# Altium PCB STM32F429IGT6.PcbDoc (part 3 of 6)
Units mil, origin at the board's own origin, x right, y up, seen from the top; angles counter-clockwise.
Board outline 3765 x 2155 mil, 2 copper layers (Top Layer, Bottom Layer); 135 components, 194 nets, 727 pads, 429 vias.
Unrouted connection lines stored in the file: 1.
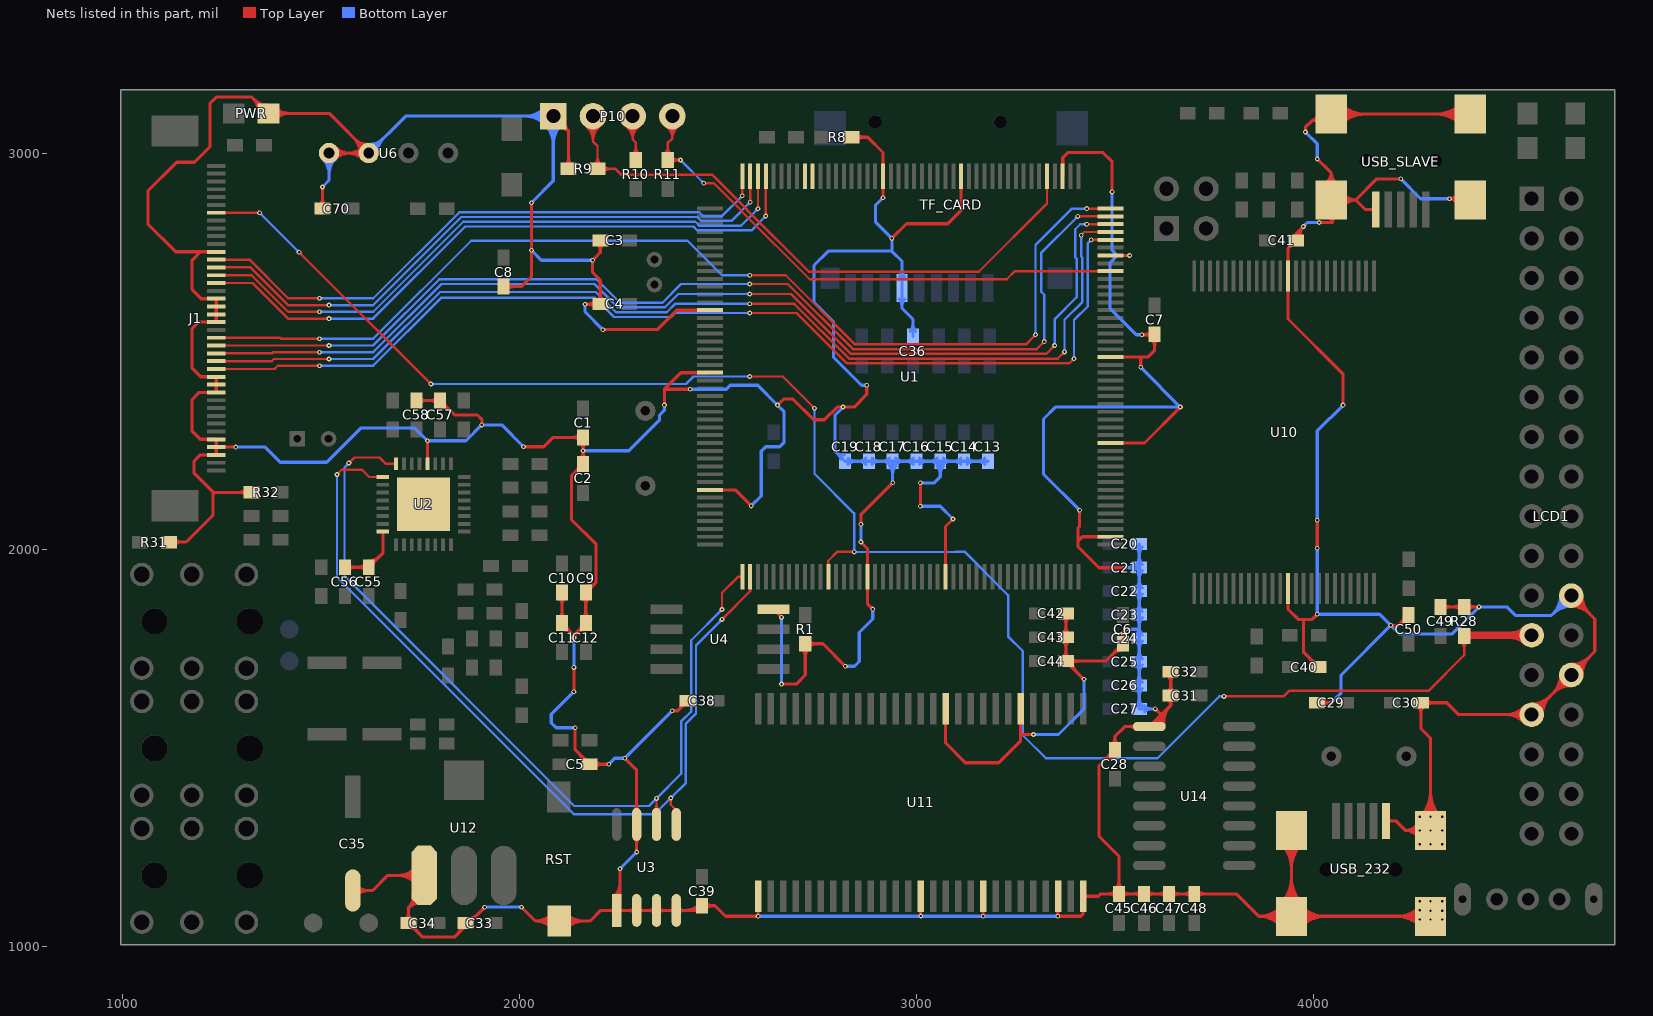
[diagram p3: the nets of this part, all layers, seen from the top]

## Via types
v1: diameter 12, hole 6, Top Layer to Bottom Layer, 405 vias
v2: diameter 16, hole 8, Top Layer to Bottom Layer, 10 vias
v3: diameter 27.56, hole 15.75, Top Layer to Bottom Layer, 9 vias
v4: diameter 16, hole 10, Top Layer to Bottom Layer, 2 vias
v5: diameter 14, hole 8, Top Layer to Bottom Layer, 1 vias
v6: diameter 30, hole 20, Top Layer to Bottom Layer, 1 vias
v7: diameter 26, hole 20, Top Layer to Bottom Layer, 1 vias

## Nets (pads, with @x,y where several pads share a name; then routed paths per layer and width w, separated by ;. In a path a pad name is that pad's centre, name@x,y a point inside that pad or via, vN(x,y) a via of type N, cw(c..) or ccw(c..) an arc to the next point about the centre after c; other vN are vias at no path point) (continued)
GND: C1.2 C2.2 C3.1 C4.1 C5.1 C6.1 C7.1 C8.1 C9.1 C10.1 C11.1 C12.1 C13.1 C14.1 C15.1 C16.1 C17.1 C18.1 C19.1 C20.1 C21.1 C22.1 C23.1 C24.1 C25.1 C26.1 C27.1 C28.1 C29.1 C30.2 C31.2 C32.2 C33.1 C34.1 C35.2 C36.2 C38.2 C39.2 C40.1 C41.1 C42.1 C43.1 C44.1 C45.1 C46.1 C47.1 C48.1 C49.2 C50.1 C55.1 C56.1 C57.1 C58.1 C70.1 J1.3 J1.4 J1.5 J1.11 J1.12 J1.13 J1.20 J1.21 J1.22 J1.23 J1.29 LCD1.22 LCD1.26 LCD1.27 P10.1 PWR.2 R1.2 R8.2 R9.2 R28.1 R31.1 R32.1 RST.2 TF_CARD.6 U1.14 U1.22 U1.37 U1.61 U1.71 U1.90 U1.102 U1.113 U1.126 U1.135 U1.148 U1.158 U2.12 U2.24 U2.33 U3.1 U3.2 U3.3 U3.4 U3.7 U4.4 U6.3 U6.4 U10.13 U10.36 U11.6 U11.12 U11.28 U11.41 U11.46 U11.52 U11.54 U12.1 U14.1 USB_232.5 USB_SLAVE.5 | length 37237.4
  Top Layer w8: R31.1@1116.5,2020 1160,2020 1228,2088 1228,2145 ; R31.1@1129.06,2011.69 cw(c1149.11,1991.64) 1149.11,2020 cw(c1149.11,2048.36) R31.1@1129.06,2028.31 ; J1.29@1236,2751.18 1196.18,2751.18 ; v1(1284.94,2259.06) J1.4@1236,2259.06 ; R32.1@1312.37,2136.69 ccw(c1292.32,2116.64) 1292.32,2145 ccw(c1292.32,2173.36) R32.1@1312.37,2153.31 ; R32.1@1324.93,2145 1228,2145 ; 1326.82,3140.15 cw(c1286.6,3099.94) PWR.2@1343.48,3099.94 ; 1333,3133.98 ccw(c1364.48,3165.46) PWR.2@1364.48,3120.94 ; 1340.48,3126.5 cw(c1313.92,3099.94) PWR.2@1351.48,3099.94 ; PWR.2@1346.66,3120.32 ccw(c1364.48,3138.14) PWR.2@1364.48,3112.94 ; PWR.2@1378.79,3090.74 cw(c1400.98,3068.55) 1400.98,3099.94 cw(c1400.98,3131.32) PWR.2@1378.79,3109.13 ; PWR.2@1384.45,3085.09 cw(c1420.3,3049.24) 1420.3,3099.94 cw(c1420.3,3150.63) PWR.2@1384.45,3114.79 ; C70.1@1495.72,2867.78 ccw(c1476.94,2886.56) 1503.5,2886.56 ccw(c1530.06,2886.56) C70.1@1511.28,2867.78 ; C70.1@1503.5,2860 v1(1503.5,2914.5) ; U6.4@1520,3000 U6.3@1620,3000 1520.06,3099.94 PWR.2@1367.04,3099.94 1325.98,3141 1236,3141 1220,3125 1220,3016 1181,2977 1136,2977 1064,2905 1064,2821 1133.82,2751.18 1196.18,2751.18 ; U6.4@1529.61,2990.39 cw(c1552.81,2967.19) 1552.81,3000 cw(c1552.81,3032.81) U6.4@1529.61,3009.61 ; U6.4@1535.27,2984.73 cw(c1572.12,2947.88) 1572.12,3000 cw(c1572.12,3052.12) U6.4@1535.27,3015.27 ; C56.1@1560,1956.5 C55.1@1620,1956.5 1655.59,1992.09 U2.24@1655.59,2046.1 ; C56.1@1567.78,1948.72 cw(c1586.56,1929.94) 1586.56,1956.5 cw(c1586.56,1983.06) C56.1@1567.78,1964.28 ; C35.2@1580,1141.89 1629.89,1141.89 1667.94,1179.94 U12.1@1760.03,1179.94 ; C35.2@1591.09,1130.8 cw(c1617.87,1104.02) 1617.87,1141.89 cw(c1617.87,1179.76) C35.2@1591.09,1152.98 ; U6.3@1598.41,3000 ccw(c1546.29,3000) 1583.14,3036.86 ccw(c1620,3073.71) U6.3@1620,3021.59 ; U6.3@1604.73,2984.73 ccw(c1567.88,2947.88) 1567.88,3000 ccw(c1567.88,3052.12) U6.3@1604.73,3015.27 ; U6.3@1606.41,3000 ccw(c1573.6,3000) 1596.8,3023.2 ccw(c1620,3046.4) U6.3@1620,3013.59 ; U6.3@1610.39,2990.39 ccw(c1587.19,2967.19) 1587.19,3000 ccw(c1587.19,3032.81) U6.3@1610.39,3009.61 ; C55.1@1612.22,1948.72 ccw(c1593.44,1929.94) 1593.44,1956.5 ccw(c1593.44,1983.06) C55.1@1612.22,1964.28 ; C55.1@1620,1964.5 ccw(c1620,1983.81) C55.1@1633.66,1970.16 ; C55.1@1620,1972.5 ccw(c1620,2011.13) 1647.31,1983.81 ; C55.1@1631,1961.5 cw(c1645.49,1961.5) 1635.24,1971.74 ; C34.1@1712.22,1067.78 ccw(c1693.44,1086.56) 1720,1086.56 ccw(c1746.56,1086.56) C34.1@1727.78,1067.78 ; C34.1@1725,1049 cw(c1725,1034.51) 1735.24,1044.76 ; C34.1@1728,1060 ccw(c1747.31,1060) C34.1@1733.66,1046.34 ; 1730.78,1108.78 cw(c1752.02,1087.53) U12.1@1756.78,1117.2 ; 1731.11,1109.11 ccw(c1709.65,1130.57) U12.1@1739.72,1134.67 ; U12.1@1731.79,1133.59 cw(c1689.58,1127.83) 1719.7,1097.7 cw(c1748.95,1068.45) U12.1@1755.51,1109.3 ; C34.1@1736,1060 ccw(c1774.63,1060) 1747.31,1032.69 ; U12.1@1739.88,1159.78 ccw(c1691.23,1111.13) 1691.23,1179.94 ccw(c1691.23,1248.74) U12.1@1739.88,1200.09 ; C58.1@1740,2376.5 C57.1@1800,2376.5 1836.5,2340 1894,2340 1905,2329 v1(1905,2315) ; U12.1@1745.54,1165.44 ccw(c1710.54,1130.44) 1710.54,1179.94 ccw(c1710.54,1229.43) U12.1@1745.54,1194.43 ; C58.1@1747.78,2368.72 cw(c1766.56,2349.94) 1766.56,2376.5 cw(c1766.56,2403.06) C58.1@1747.78,2384.28 ; U12.1@1760.03,1138.03 1720,1098 C34.1@1720,1060 1755,1025 1837,1025 v1(1912,1100) ; U2.12@1768,2217.57 v1(1768,2275) ; C57.1@1792.22,2368.72 ccw(c1773.44,2349.94) 1773.44,2376.5 ccw(c1773.44,2403.06) C57.1@1792.22,2384.28 ; C57.1@1800,2360.5 cw(c1800,2321.87) 1827.31,2349.19 ; C57.1@1800,2368.5 cw(c1800,2349.19) C57.1@1813.66,2362.84 ; C57.1@1811,2371.5 ccw(c1825.49,2371.5) 1815.24,2361.26 ; 1843.75,1031.75 ccw(c1828.36,1047.14) C33.1@1848.38,1055.68 ; 1852.12,1040.12 ccw(c1840.09,1052.15) C33.1@1855.74,1058.82 ; C33.1@1868.5,1071 ccw(c1868.5,1106.01) 1893.25,1081.25 ; C33.1@1879.5,1060 cw(c1897.61,1060) 1884.8,1072.8 ; C8.1@1960,2663.5 2004.5,2663.5 2030,2689 v1(2030,2755) v1(2030,2875) ; C8.1@1967.78,2655.72 cw(c1986.56,2636.94) 1986.56,2663.5 cw(c1986.56,2690.06) C8.1@1967.78,2671.28 ; v1(2005,1100) 2040,1065 ; v1(2010,2260) 2061,2260 2084.5,2283.5 C1.2@2160,2283.5 v1(2160,2250) C2.2@2160,2216.5 2131,2187.5 2131,2076 2193,2014 2193,1918.5 ; RST.2@2081.61,1047.3 ccw(c2040,1007.26) 2040,1065 ; RST.2@2081.61,1082.7 cw(c2040,1122.74) 2040,1065 ; P10.1@2085,3093 2123.5,3054.5 ; RST.2@2087.37,1052.85 ccw(c2058.81,1025.36) 2058.81,1065 ccw(c2058.81,1104.64) RST.2@2087.37,1077.15 ; P10.1@2089.41,3071.99 cw(c2094.72,3046.63) 2113.05,3064.95 cw(c2131.37,3083.28) P10.1@2106.01,3088.59 ; P10.1@2091.05,3064.16 cw(c2098.35,3029.35) 2123.5,3054.5 ; C11.1@2099.22,1828.28 ccw(c2080.44,1847.06) 2107,1847.06 ccw(c2133.56,1847.06) C11.1@2114.78,1828.28 ; C10.1@2099.22,1879.72 cw(c2080.44,1860.94) 2107,1860.94 cw(c2133.56,1860.94) C10.1@2114.78,1879.72 ; C11.1@2107,1799.5 cw(c2107,1760.87) 2134.31,1788.19 ; C11.1@2107,1807.5 cw(c2107,1788.19) C11.1@2120.66,1801.84 ; C10.1@2107,1892.5 C11.1@2107,1815.5 2137,1785.5 ; RST.2@2112.39,1052.61 cw(c2142.32,1022.68) 2142.32,1065 cw(c2142.32,1107.32) RST.2@2112.39,1077.39 ; P10.1@2113.84,3086.95 ccw(c2148.65,3079.65) 2123.5,3054.5 ; R9.2@2115.19,2968.31 ccw(c2095.14,2988.36) 2123.5,2988.36 ccw(c2151.86,2988.36) R9.2@2131.81,2968.31 ; C11.1@2118,1810.5 ccw(c2132.49,1810.5) 2122.24,1800.26 ; RST.2@2118.05,1046.95 cw(c2161.63,1003.37) 2161.63,1065 cw(c2161.63,1126.63) RST.2@2118.05,1083.05 ; R9.2@2123.5,2960 2123.5,3054.5 ; 2128.28,1794.22 cw(c2112.07,1778) v1@2135,1778 ; 2132.69,2189.19 cw(c2160,2161.87) C2.2@2160,2200.5 ; v1(2137,1643) v1(2137,1704) ; v1(2137,1778) 2137,1785.5 ; v1@2139,1778 cw(c2161.93,1778) 2145.72,1794.22 ; 2139.69,1788.19 cw(c2167,1760.87) C12.1@2167,1799.5 ; v1(2140,1552) 2140,1496.5 C5.1@2176.5,1460 v1(2225,1460) ; 2144.76,2201.26 ccw(c2134.51,2211.5) C2.2@2149,2211.5 ; C2.2@2146.34,2202.84 cw(c2160,2189.19) C2.2@2160,2208.5 ; 2149.19,1487.31 cw(c2121.87,1460) C5.1@2160.5,1460 ; 2151.76,1800.26 ccw(c2141.51,1810.5) C12.1@2156,1810.5 ; C2.2@2152.22,2229.28 ccw(c2133.44,2248.06) 2160,2248.06 ccw(c2186.56,2248.06) C2.2@2167.78,2229.28 ; C1.2@2152.22,2270.72 cw(c2133.44,2251.94) 2160,2251.94 cw(c2186.56,2251.94) C1.2@2167.78,2270.72 ; C1.2@2152.22,2275.72 ccw(c2133.44,2256.94) 2133.44,2283.5 ccw(c2133.44,2310.06) C1.2@2152.22,2291.28 ; C12.1@2153.34,1801.84 cw(c2167,1788.19) C12.1@2167,1807.5 ; C12.1@2159.22,1828.28 ccw(c2140.44,1847.06) 2167,1847.06 ccw(c2193.56,1847.06) C12.1@2174.78,1828.28 ; C9.1@2159.22,1879.72 cw(c2140.44,1860.94) 2167,1860.94 cw(c2193.56,1860.94) C9.1@2174.78,1879.72 ; 2161.26,1475.24 ccw(c2171.5,1485.49) C5.1@2171.5,1471 ; C5.1@2162.84,1473.66 cw(c2149.19,1460) C5.1@2168.5,1460 ; v1(2165,2619) C4.1@2202.5,2619 ; C9.1@2167.12,1900.5 ccw(c2167.8,1917.83) C9.1@2180.07,1905.57 ; C9.1@2167.43,1908.49 ccw(c2168.78,1942.72) 2193,1918.5 ; v1@2169.53,2619 ccw(c2169.53,2648.97) C4.1@2190.72,2627.78 ; 2174.36,2619 cw(c2174.36,2595.86) C4.1@2190.72,2612.22 ; C9.1@2178,1897.5 cw(c2192.49,1897.5) 2182.24,1907.74 ; C5.1@2189.28,1452.22 cw(c2208.06,1433.44) 2208.06,1460 cw(c2208.06,1486.56) C5.1@2189.28,1467.78 ; C4.1@2195.72,2627.78 ccw(c2176.94,2646.56) 2203.5,2646.56 ccw(c2230.06,2646.56) C4.1@2211.28,2627.78 ; C3.1@2195.72,2772.22 cw(c2176.94,2753.44) 2203.5,2753.44 cw(c2230.06,2753.44) C3.1@2211.28,2772.22 ; C4.1@2203.5,2620 2203.5,2679.5 2184,2699 v1(2184,2730) 2203.5,2749.5 C3.1@2203.5,2780 ; v1(2210,2555) 2347,2555 2396.09,2604.09 U1.14@2480,2604.09 ; U3.1@2239.48,1086.21 ccw(c2226.14,1072.87) 2226.14,1091.73 ccw(c2226.14,1110.59) U3.1@2239.48,1097.26 ; U3.1@2239.48,1126.78 ccw(c2206.83,1159.43) 2253,1159.43 ; U3.1@2245.13,1121.13 ccw(c2226.14,1140.12) 2253,1140.12 ; U3.1@2250.52,1086.21 cw(c2263.86,1072.87) 2263.86,1091.73 cw(c2263.86,1110.59) U3.1@2250.52,1097.26 ; U3.1@2253,1103.73 v1(2253,1197) ; v1(2265,1475) 2295,1445 U3.7@2295,1308.27 v1(2295,1239) ; U3.2@2289.48,1086.21 ccw(c2276.14,1072.87) 2276.14,1091.73 ccw(c2276.14,1110.59) U3.2@2289.48,1097.26 ; U3.7@2289.48,1273.22 cw(c2276.14,1259.88) 2295,1259.88 cw(c2313.86,1259.88) U3.7@2300.52,1273.22 ; U3.7@2289.48,1343.32 ccw(c2276.14,1356.65) 2295,1356.65 ccw(c2313.86,1356.65) U3.7@2300.52,1343.32 ; U3.2@2300.52,1086.21 cw(c2313.86,1072.87) 2313.86,1091.73 cw(c2313.86,1110.59) U3.2@2300.52,1097.26 ; U3.3@2339.48,1086.21 ccw(c2326.14,1072.87) 2326.14,1091.73 ccw(c2326.14,1110.59) U3.3@2339.48,1097.26 ; U3.3@2350.52,1086.21 cw(c2363.86,1072.87) 2363.86,1091.73 cw(c2363.86,1110.59) U3.3@2350.52,1097.26 ; v1(2365,2365) 2365,2405 ; v1(2385,1595) 2398.5,1595 C38.2@2423.5,1620 ; U3.4@2389.48,1086.21 ccw(c2376.14,1072.87) 2376.14,1091.73 ccw(c2376.14,1110.59) U3.4@2389.48,1097.26 ; U3.4@2400.52,1086.21 cw(c2413.86,1072.87) 2413.86,1091.73 cw(c2413.86,1110.59) U3.4@2400.52,1097.26 ; 2401,1597.5 ccw(c2384.18,1614.32) C38.2@2407.65,1618.2 ; 2408.26,1604.76 cw(c2418.5,1594.51) C38.2@2418.5,1609 ; 2417.11,1091.73 ccw(c2417.11,1141.39) C39.2@2452.22,1106.28 ; v1(2430,2405) 2365,2405 ; 2436.42,1091.73 ccw(c2436.42,1122.08) C39.2@2457.88,1100.62 ; C39.2@2467.78,1095.72 cw(c2486.56,1076.94) 2486.56,1103.5 cw(c2486.56,1130.06) C39.2@2467.78,1111.28 ; U1.37@2480,2151.34 2543.66,2151.34 v1(2584,2111) ; U1.22@2480,2446.61 2406.61,2446.61 2365,2405 ; U11.28@2598.36,1093.32 cw(c2591.92,1086.88) 2601.03,1086.88 ; 2601.03,1086.54 cw(c2610.62,1086.54) U11.28@2603.84,1093.32 ; U11.28@2601.03,1127.49 v1(2601.03,1077.03) 2518.97,1077.03 2492.5,1103.5 C39.2@2460,1103.5 2448.23,1091.73 U3.4@2395,1091.73 U3.3@2345,1091.73 U3.2@2295,1091.73 U3.1@2245,1091.73 2204.73,1091.73 2178,1065 RST.2@2100,1065 2040,1065 ; U4.4@2640,1850.06 v1(2660,1830.06) ; v1(2650,2365) 2665,2380 2689,2380 2741,2328 2768,2328 2800,2360 v1(2815,2360) 2843,2360 2875,2392 v1(2875,2415) ; v1(2660,1662) 2697,1662 2720,1685 R1.2@2720,1763.5 2764.5,1763.5 v1(2821,1707) ; R1.2@2711.69,1750.94 cw(c2691.64,1730.89) 2720,1730.89 cw(c2748.36,1730.89) R1.2@2728.31,1750.94 ; R1.2@2728.31,1755.19 cw(c2748.36,1735.14) 2748.36,1763.5 cw(c2748.36,1791.86) R1.2@2728.31,1771.81 ; R8.2@2836.5,3040 2877,3040 2915.65,3001.35 U1.158@2915.65,2941.32 v1(2915.65,2887.65) ; R8.2@2849.06,3031.69 cw(c2869.11,3011.64) 2869.11,3040 cw(c2869.11,3068.36) R8.2@2849.06,3048.31 ; v1(2860,2020) 2876.28,2003.72 U1.61@2876.28,1932.22 2876.28,1864.72 v1(2890,1851) ; v1(2860,2065) 2860,2089 v1(2940,2169) ; v1(2938,2785) 2975,2822 3079,2822 3112.5,2855.5 U1.148@3112.5,2941.32 ; U11.41@3007.81,1093.32 cw(c3001.2,1086.71) 3010.55,1086.71 cw(c3019.9,1086.71) U11.41@3013.29,1093.32 ; v1(3010,2110) v1(3010,2169) ; v1(3010.55,1077.58) U11.41@3010.55,1127.56 ; U11.12@3070.8,1565.76 cw(c3064.19,1559.15) 3073.54,1559.15 cw(c3082.89,1559.15) U11.12@3076.28,1565.76 ; U1.71@3073.13,1932.22 3073.13,2059.13 v1(3092,2078) ; U11.12@3073.54,1600 3073.54,1513.46 3123,1464 3207,1464 3262.52,1519.52 3262.52,1535 ; U11.46@3165.29,1093.32 cw(c3158.68,1086.71) 3168.03,1086.71 cw(c3177.38,1086.71) U11.46@3170.77,1093.32 ; v1(3168.03,1077.03) U11.46@3168.03,1127.56 ; U11.6@3259.78,1565.76 cw(c3253.17,1559.15) 3262.52,1559.15 cw(c3271.87,1559.15) U11.6@3265.26,1565.76 ; U11.6@3262.52,1600 3262.52,1535 ; v1(3295,1535) 3262.52,1535 ; 3356.03,1084.36 cw(c3368.72,1084.36) U11.52@3359.75,1093.32 ; U11.52@3356.03,1126.58 v1(3356.03,1077.03) 3414.03,1077.03 3420,1083 U11.54@3420,1127.56 3458.56,1127.56 3464.5,1133.5 C45.1@3510,1133.5 ; U1.135@3368.41,2941.32 3368.41,2988.41 3381,3001 3470,3001 3493,2978 v1(3493,2902) ; C44.1@3368.72,1727.78 ccw(c3349.94,1746.56) 3376.5,1746.56 ccw(c3403.06,1746.56) C44.1@3384.28,1727.78 ; C43.1@3368.72,1772.22 cw(c3349.94,1753.44) 3376.5,1753.44 cw(c3403.06,1753.44) C43.1@3384.28,1772.22 ; C43.1@3368.72,1787.78 ccw(c3349.94,1806.56) 3376.5,1806.56 ccw(c3403.06,1806.56) C43.1@3384.28,1787.78 ; C42.1@3368.72,1832.22 cw(c3349.94,1813.44) 3376.5,1813.44 cw(c3403.06,1813.44) C42.1@3384.28,1832.22 ; C42.1@3376.5,1840 C43.1@3376.5,1780 C44.1@3376.5,1720 ; C44.1@3381.5,1709 cw(c3381.5,1694.51) 3391.74,1704.76 ; C44.1@3384.5,1720 ccw(c3403.81,1720) C44.1@3390.16,1706.34 ; C44.1@3389.28,1712.22 cw(c3408.06,1693.44) 3408.06,1720 cw(c3408.06,1746.56) C44.1@3389.28,1727.78 ; C44.1@3392.5,1720 ccw(c3431.13,1720) 3403.81,1692.69 ; v1(3411,2100) 3411,2060 3407,2056 3407,2022 ; U11.54@3417.26,1093.32 cw(c3410.65,1086.71) 3420,1086.71 cw(c3429.35,1086.71) U11.54@3422.74,1093.32 ; v1(3422,1674.5) C44.1@3376.5,1720 ; U11.54@3422.74,1124.82 cw(c3429.35,1118.21) 3429.35,1127.56 cw(c3429.35,1136.91) U11.54@3422.74,1130.3 ; 3472.69,1469.19 cw(c3500,1441.87) C28.1@3500,1480.5 ; 3484.76,1481.26 ccw(c3474.51,1491.5) C28.1@3489,1491.5 ; C28.1@3486.34,1482.84 cw(c3500,1469.19) C28.1@3500,1488.5 ; U1.90@3489.09,2033.23 3418.23,2033.23 3407,2022 ; U1.102@3489.09,2269.45 3574.45,2269.45 v1(3665,2360) ; U1.113@3489.09,2485.98 3565,2485.98 ; U1.126@3489.09,2741.89 v1(3537,2741.89) ; C28.1@3492.22,1509.28 ccw(c3473.44,1528.06) 3500,1528.06 ccw(c3526.56,1528.06) C28.1@3507.78,1509.28 ; 3492.69,1736.19 cw(c3520,1708.87) C6.1@3520,1747.5 ; C45.1@3502.22,1125.72 ccw(c3483.44,1106.94) 3483.44,1133.5 ccw(c3483.44,1160.06) C45.1@3502.22,1141.28 ; C45.1@3502.22,1146.28 ccw(c3483.44,1165.06) 3510,1165.06 ccw(c3536.56,1165.06) C45.1@3517.78,1146.28 ; 3504.76,1748.26 ccw(c3494.51,1758.5) C6.1@3509,1758.5 ; C6.1@3506.34,1749.84 cw(c3520,1736.19) C6.1@3520,1755.5 ; C6.1@3512.95,1776.95 ccw(c3500.4,1792) 3520,1792 ; C45.1@3517.78,1125.72 cw(c3536.56,1106.94) 3536.56,1133.5 cw(c3536.56,1160.06) C45.1@3517.78,1141.28 ; v1(3525,1955) 3460,1955 3407,2008 3407,2022 ; C6.1@3527.05,1776.95 cw(c3539.6,1792) 3520,1792 ; v1(3528,1800) 3520,1792 ; U14.1@3551.76,1549.48 ccw(c3538.43,1536.14) 3538.43,1555 ccw(c3538.43,1573.86) U14.1@3551.76,1560.52 ; v1(3565,2460) 3565,2485.98 ; C46.1@3565.56,1125.72 ccw(c3546.78,1106.94) 3546.78,1133.5 ccw(c3546.78,1160.06) C46.1@3565.56,1141.28 ; v1(3568,2542) C7.1@3598.5,2542 ; v1@3569.82,2542 ccw(c3569.82,2573.68) C7.1@3592.22,2551.28 ; 3577.07,2542 cw(c3577.07,2520.57) C7.1@3592.22,2535.72 ; C46.1@3581.11,1125.72 cw(c3599.89,1106.94) 3599.89,1133.5 cw(c3599.89,1160.06) C46.1@3581.11,1141.28 ; U14.1@3584.64,1549.38 cw(c3590.27,1550.38) U14.1@3586.23,1554.42 ; C7.1@3592.22,2530.72 cw(c3573.44,2511.94) 3600,2511.94 cw(c3626.56,2511.94) C7.1@3607.78,2530.72 ; U14.1@3592.52,1550.78 cw(c3608.71,1553.65) U14.1@3597.08,1565.27 ; C7.1@3600,2543.5 3600,2503 3582.98,2485.98 3565,2485.98 ; U14.1@3600.4,1552.17 cw(c3627.15,1556.92) 3607.94,1576.13 ; v1(3601.5,1599.5) 3616.39,1584.61 ; U14.1@3608.28,1553.57 cw(c3645.58,1560.19) 3618.79,1586.98 ; U14.1@3616.15,1554.97 cw(c3664.02,1563.46) 3629.64,1597.83 ; U14.1@3624.03,1556.36 cw(c3682.46,1566.73) 3640.5,1608.69 ; C47.1@3628.89,1125.72 ccw(c3610.11,1106.94) 3610.11,1133.5 ccw(c3610.11,1160.06) C47.1@3628.89,1141.28 ; C31.2@3632.72,1640.78 ccw(c3613.94,1659.56) 3640.5,1659.56 ccw(c3667.06,1659.56) C31.2@3648.28,1640.78 ; C32.2@3632.72,1685.22 cw(c3613.94,1666.44) 3640.5,1666.44 cw(c3667.06,1666.44) C32.2@3648.28,1685.22 ; C31.2@3633.24,1624.74 cw(c3619.14,1608.69) 3640.5,1608.69 ; C32.2@3640.5,1693 C31.2@3640.5,1633 3640.5,1608.69 ; C47.1@3644.44,1125.72 cw(c3663.22,1106.94) 3663.22,1133.5 cw(c3663.22,1160.06) C47.1@3644.44,1141.28 ; C31.2@3647.76,1624.74 ccw(c3661.86,1608.69) 3640.5,1608.69 ; C48.1@3692.22,1125.72 ccw(c3673.44,1106.94) 3673.44,1133.5 ccw(c3673.44,1160.06) C48.1@3692.22,1141.28 ; C48.1@3707.78,1125.72 cw(c3726.56,1106.94) 3726.56,1133.5 cw(c3726.56,1160.06) C48.1@3707.78,1141.28 ; USB_232.5@3919.23,1052.46 ccw(c3862.11,997.91) 3862.11,1076.89 ; USB_232.5@3919.23,1101.32 cw(c3862.11,1155.87) 3862.11,1076.89 ; USB_232.5@3919.8,1111.74 ccw(c3859.42,1172.12) 3944.81,1172.12 ccw(c4030.2,1172.12) USB_232.5@3969.82,1111.74 ; USB_232.5@3919.8,1258.57 cw(c3859.42,1198.19) 3944.81,1198.19 cw(c4030.2,1198.19) USB_232.5@3969.82,1258.57 ; USB_232.5@3925.02,1057.99 ccw(c3880.82,1015.77) 3880.82,1076.89 ccw(c3880.82,1138.01) USB_232.5@3925.02,1095.79 ; USB_232.5@3925.45,1106.09 ccw(c3878.73,1152.81) 3944.81,1152.81 ccw(c4010.89,1152.81) USB_232.5@3964.16,1106.09 ; USB_232.5@3925.45,1264.23 cw(c3878.73,1217.51) 3944.81,1217.51 cw(c4010.89,1217.51) USB_232.5@3964.16,1264.23 ; USB_232.5@3930.8,1063.51 ccw(c3899.52,1033.64) 3899.52,1076.89 ccw(c3899.52,1120.14) USB_232.5@3930.8,1090.27 ; USB_232.5@3931.11,1100.43 ccw(c3898.04,1133.5) 3944.81,1133.5 ccw(c3991.57,1133.5) USB_232.5@3958.5,1100.43 ; USB_232.5@3931.11,1269.89 cw(c3898.04,1236.82) 3944.81,1236.82 cw(c3991.57,1236.82) USB_232.5@3958.5,1269.89 ; U10.13@3936.22,1903.07 3936.22,1850.78 3962,1825 3975,1825 ; 3938.72,2762.22 ccw(c3930,2770.94) C41.1@3941.36,2775.73 ; 3941.26,2764.76 cw(c3951.5,2754.51) C41.1@3951.5,2769 ; USB_232.5@3944.81,1293.43 USB_232.5@3944.81,1076.89 ; C41.1@3952.27,2790.15 ccw(c3949.63,2796.5) 3956.5,2796.5 ; C41.1@3957.16,2777.52 cw(c3973.51,2786.87) 3960.19,2800.19 ; USB_232.5@3958.5,1063.19 cw(c3991.57,1030.13) 3991.57,1076.89 cw(c3991.57,1123.65) USB_232.5@3958.5,1090.59 ; C41.1@3960.73,2790.15 cw(c3963.37,2796.5) 3956.5,2796.5 ; C41.1@3964.1,2781.49 cw(c3982.93,2792.26) 3967.6,2807.6 ; USB_232.5@3964.16,1057.54 cw(c4010.89,1010.81) 4010.89,1076.89 cw(c4010.89,1142.97) USB_232.5@3964.16,1096.24 ; USB_232.5@3969.82,1051.88 cw(c4030.2,991.5) 4030.2,1076.89 cw(c4030.2,1162.28) USB_232.5@3969.82,1101.9 ; C41.1@3971.05,2785.46 cw(c3992.35,2797.64) v1(3975,2815) 3956.5,2796.5 ; v1(3980,3053) 3980,3065 3998,3083 ; 3986.19,1732.31 cw(c3958.87,1705) C40.1@3997.5,1705 ; 3998.26,1720.24 ccw(c4008.5,1730.49) C40.1@4008.5,1716 ; C40.1@3999.84,1718.66 cw(c3986.19,1705) C40.1@4005.5,1705 ; C29.1@4009.01,1615 v1(4045,1615) ; USB_SLAVE.5@4009.78,3093.23 cw(c3998,3094.9) 3998,3083 ; v1(4010,1838) 3997,1825 3975,1825 ; v1(4010,2004) v1(4010,2075) ; v1(4010,2985) 4044.8,2950.2 ; USB_SLAVE.5@4012.61,3073.6 ccw(c3998,3066.94) 3998,3083 ; C40.1@4013.5,1705 3975,1743.5 3975,1825 ; v1(4015,2825) 4048,2825 USB_SLAVE.5@4048,2878.37 ; C29.1@4021.79,1607.22 cw(c4040.57,1588.44) 4040.57,1615 cw(c4040.57,1641.56) C29.1@4021.79,1622.78 ; USB_SLAVE.5@4028.23,2922.67 ccw(c4013.64,2950.2) 4044.8,2950.2 ; USB_SLAVE.5@4031.98,2915.6 ccw(c4020.69,2936.9) 4044.8,2936.9 ccw(c4068.91,2936.9) USB_SLAVE.5@4057.62,2915.6 ; USB_SLAVE.5@4038.01,2837.02 cw(c4035.64,2824.89) 4048,2824.89 cw(c4062.81,2824.89) USB_SLAVE.5@4057.5,2838.72 ; USB_SLAVE.5@4058.5,3084.41 cw(c4091.56,3051.35) 4091.56,3098.11 cw(c4091.56,3144.87) USB_SLAVE.5@4058.5,3111.81 ; USB_SLAVE.5@4061.37,2922.67 cw(c4075.96,2950.2) 4044.8,2950.2 ; USB_SLAVE.5@4064.15,3078.76 cw(c4110.88,3032.03) 4110.88,3098.11 cw(c4110.88,3164.19) USB_SLAVE.5@4064.15,3117.46 ; USB_SLAVE.5@4068.43,2867.77 cw(c4092.49,2853.72) 4092.49,2881.57 cw(c4092.49,2909.43) USB_SLAVE.5@4068.43,2895.38 ; USB_SLAVE.5@4069.81,3073.1 cw(c4130.19,3012.72) 4130.19,3098.11 cw(c4130.19,3183.5) USB_SLAVE.5@4069.81,3123.12 ; v1(4075,2365) 4075,2443 3936.22,2581.78 U10.36@3936.22,2690.47 3936.22,2759.72 C41.1@3956.5,2780 3956.5,2796.5 ; USB_SLAVE.5@4075.34,2863.73 cw(c4106.42,2845.58) 4106.42,2881.57 cw(c4106.42,2917.57) USB_SLAVE.5@4075.34,2899.41 ; USB_SLAVE.5@4152.87,2853.5 ccw(c4142.9,2843.53) 4142.9,2857.64 ccw(c4142.9,2871.74) USB_SLAVE.5@4152.87,2861.77 ; USB_SLAVE.5@4157.01,2857.64 4130.36,2857.64 4106.43,2881.57 ; USB_232.5@4182.99,1317.36 4207.64,1317.36 4231.57,1293.43 USB_232.5@4295.2,1293.43 4295.2,1525.8 4270.99,1550.01 C30.2@4270.99,1615 4336,1615 4366,1585 LCD1.27@4550,1585 LCD1.26@4650,1685 4709,1744 4709,1826 LCD1.22@4650,1885 ; USB_232.5@4187.13,1313.23 cw(c4197.1,1303.26) 4197.1,1317.36 cw(c4197.1,1331.47) USB_232.5@4187.13,1321.5 ; v1(4195,1810) 4213.5,1810 C50.1@4240,1836.5 ; 4212.69,1809.19 cw(c4240,1781.87) C50.1@4240,1820.5 ; v1(4220,2935) 4159.85,2935 4106.43,2881.57 ; 4224.76,1821.26 ccw(c4214.51,1831.5) C50.1@4229,1831.5 ; C50.1@4226.34,1822.84 cw(c4240,1809.19) C50.1@4240,1828.5 ; 4244.12,1076.89 cw(c4244.12,1045.12) USB_232.5@4266.59,1067.59 ; C30.2@4263.21,1607.22 cw(c4244.43,1588.44) 4270.99,1588.44 cw(c4297.54,1588.44) C30.2@4278.77,1607.22 ; USB_232.5@4263.44,1076.89 cw(c4263.44,1064.44) USB_232.5@4272.24,1073.24 ; USB_232.5@4263.76,1073.24 cw(c4272.56,1064.44) USB_232.5@4272.56,1076.89 ; USB_232.5@4265.16,1274.76 ccw(c4231.58,1253.89) 4231.58,1293.43 ccw(c4231.58,1332.96) USB_232.5@4265.16,1312.09 ; USB_232.5@4269.41,1067.59 cw(c4291.88,1045.12) USB_232.5@4291.88,1076.89 ; USB_232.5@4270.19,1051.88 ccw(c4209.81,991.5) 4209.81,1076.89 ccw(c4209.81,1162.28) USB_232.5@4270.19,1101.9 ; USB_232.5@4270.19,1328.28 ccw(c4209.81,1388.66) 4295.2,1388.66 ccw(c4380.59,1388.66) USB_232.5@4320.21,1328.28 ; USB_232.5@4271.32,1076.89 cw(c4271.32,1045.12) USB_232.5@4293.79,1067.59 ; USB_232.5@4271.95,1278.98 ccw(c4245.97,1262.83) 4245.97,1293.43 ccw(c4245.97,1324.02) USB_232.5@4271.95,1307.87 ; USB_232.5@4275.85,1057.54 ccw(c4229.12,1010.81) 4229.12,1076.89 ccw(c4229.12,1142.97) USB_232.5@4275.85,1096.24 ; USB_232.5@4275.85,1322.62 ccw(c4229.12,1369.35) 4295.2,1369.35 ccw(c4361.28,1369.35) USB_232.5@4314.55,1322.62 ; USB_232.5@4281.5,1063.19 ccw(c4248.44,1030.13) 4248.44,1076.89 ccw(c4248.44,1123.65) USB_232.5@4281.5,1090.59 ; USB_232.5@4281.5,1316.97 ccw(c4248.44,1350.03) 4295.2,1350.03 ccw(c4341.96,1350.03) USB_232.5@4308.9,1316.97 ; C30.2@4283.77,1607.22 cw(c4302.54,1588.44) 4302.54,1615 cw(c4302.54,1641.56) C30.2@4283.77,1622.78 ; USB_232.5@4290.64,1076.89 cw(c4290.64,1064.44) USB_232.5@4299.44,1073.24 ; USB_232.5@4295.2,1076.89 USB_232.5@3944.81,1076.89 ; C49.2@4320,1856.5 R28.1@4380,1856.5 v1(4417.5,1856.5) ; C49.2@4327.78,1848.72 cw(c4346.56,1829.94) 4346.56,1856.5 cw(c4346.56,1883.06) C49.2@4327.78,1864.28 ; 4353.76,2885 cw(c4353.76,2869.11) USB_SLAVE.5@4368.98,2873.69 ; USB_SLAVE.5@4361.32,2871.38 ccw(c4343,2865.87) v1(4343,2885) ; USB_SLAVE.5@4363.69,2897.66 cw(c4343,2908.23) v1(4343,2885) ; USB_SLAVE.5@4370.18,3073.1 ccw(c4309.8,3012.72) 4309.8,3098.11 ccw(c4309.8,3183.5) USB_SLAVE.5@4370.18,3123.12 ; R28.1@4371.69,1848.19 ccw(c4351.64,1828.14) 4351.64,1856.5 ccw(c4351.64,1884.86) R28.1@4371.69,1864.81 ; USB_SLAVE.5@4375.84,3078.76 ccw(c4329.11,3032.03) 4329.11,3098.11 ccw(c4329.11,3164.19) USB_SLAVE.5@4375.84,3117.46 ; USB_SLAVE.5@4381.5,3084.41 ccw(c4348.43,3051.35) 4348.43,3098.11 ccw(c4348.43,3144.87) USB_SLAVE.5@4381.5,3111.81 ; R28.1@4388.31,1848.19 cw(c4408.36,1828.14) 4408.36,1856.5 cw(c4408.36,1884.86) R28.1@4388.31,1864.81 ; USB_SLAVE.5@4391.77,2885 v1(4343,2885) ; USB_SLAVE.5@4395.19,3098.11 USB_SLAVE.5@4044.8,3098.11 4029.69,3083 3998,3083 ; LCD1.27@4530.91,1565.91 ccw(c4484.82,1519.82) 4484.82,1585 ccw(c4484.82,1650.18) LCD1.27@4530.91,1604.09 ; LCD1.27@4536.56,1571.56 ccw(c4504.13,1539.13) 4504.13,1585 ccw(c4504.13,1630.87) LCD1.27@4536.56,1598.44 ; LCD1.27@4550,1604 ccw(c4550,1649.87) 4582.44,1617.44 ccw(c4614.87,1585) LCD1.27@4569,1585 ; LCD1.27@4550,1612 ccw(c4550,1677.18) 4596.09,1631.09 ccw(c4642.18,1585) LCD1.27@4577,1585 ; LCD1.26@4623,1685 cw(c4557.82,1685) 4603.91,1638.91 cw(c4650,1592.82) LCD1.26@4650,1658 ; LCD1.26@4631,1685 cw(c4585.13,1685) 4617.56,1652.56 cw(c4650,1620.13) LCD1.26@4650,1666 ; LCD1.26@4650,1704 ccw(c4650,1749.87) 4682.44,1717.44 ccw(c4714.87,1685) LCD1.26@4669,1685 ; LCD1.26@4650,1712 ccw(c4650,1777.18) 4696.09,1731.09 ccw(c4742.18,1685) LCD1.26@4677,1685 ; LCD1.22@4650,1858 cw(c4650,1792.82) 4696.09,1838.91 cw(c4742.18,1885) LCD1.22@4677,1885 ; LCD1.22@4650,1866 cw(c4650,1820.13) 4682.44,1852.56 cw(c4714.87,1885) LCD1.22@4669,1885 ; 1196.18,2751.18 1175,2730 1175,2656 1197.93,2633.07 J1.23@1236,2633.07 J1.20@1236,2574.02 1191.02,2574.02 1175,2558 1175,2458 1196.78,2436.22 J1.13@1236,2436.22 J1.11@1236,2396.85 1192.85,2396.85 1175,2379 1175,2299 1195.26,2278.74 J1.5@1236,2278.74 J1.4@1236,2259.06 ; 1228,2145 1180,2193 1180,2224 1195.37,2239.37 J1.3@1236,2239.37 J1.4@1236,2259.06 ; 2137,1785.5 C12.1@2167,1815.5 C9.1@2167,1892.5 2193,1918.5 ; C44.1@3376.5,1720 3476.5,1720 C6.1@3520,1763.5 3520,1792 ; C45.1@3510,1133.5 3510,1229 3460,1279 3460,1456.5 C28.1@3500,1496.5 3500,1530 3525,1555 U14.1@3586.81,1555 3640.5,1608.69 ; C45.1@3510,1133.5 C46.1@3573.33,1133.5 C47.1@3636.67,1133.5 C48.1@3700,1133.5 3805.5,1133.5 3862.11,1076.89 ; 3862.11,1076.89 USB_232.5@3944.81,1076.89 ; 4044.8,2950.2 USB_SLAVE.5@4044.8,2881.57 4106.43,2881.57